# Altium PCB SAMD20_Xplained_Pro.PcbDoc (part 2 of 3)
Units mm, origin at the board's own origin, x right, y up, seen from the top; angles counter-clockwise.
Board outline 60 x 100 mm, 4 copper layers (Top Layer LF-signals, GND, POWER, Bottom Layer LF-signals), stack 1.604 mm thick; 165 components, 137 nets, 712 pads, 237 vias.
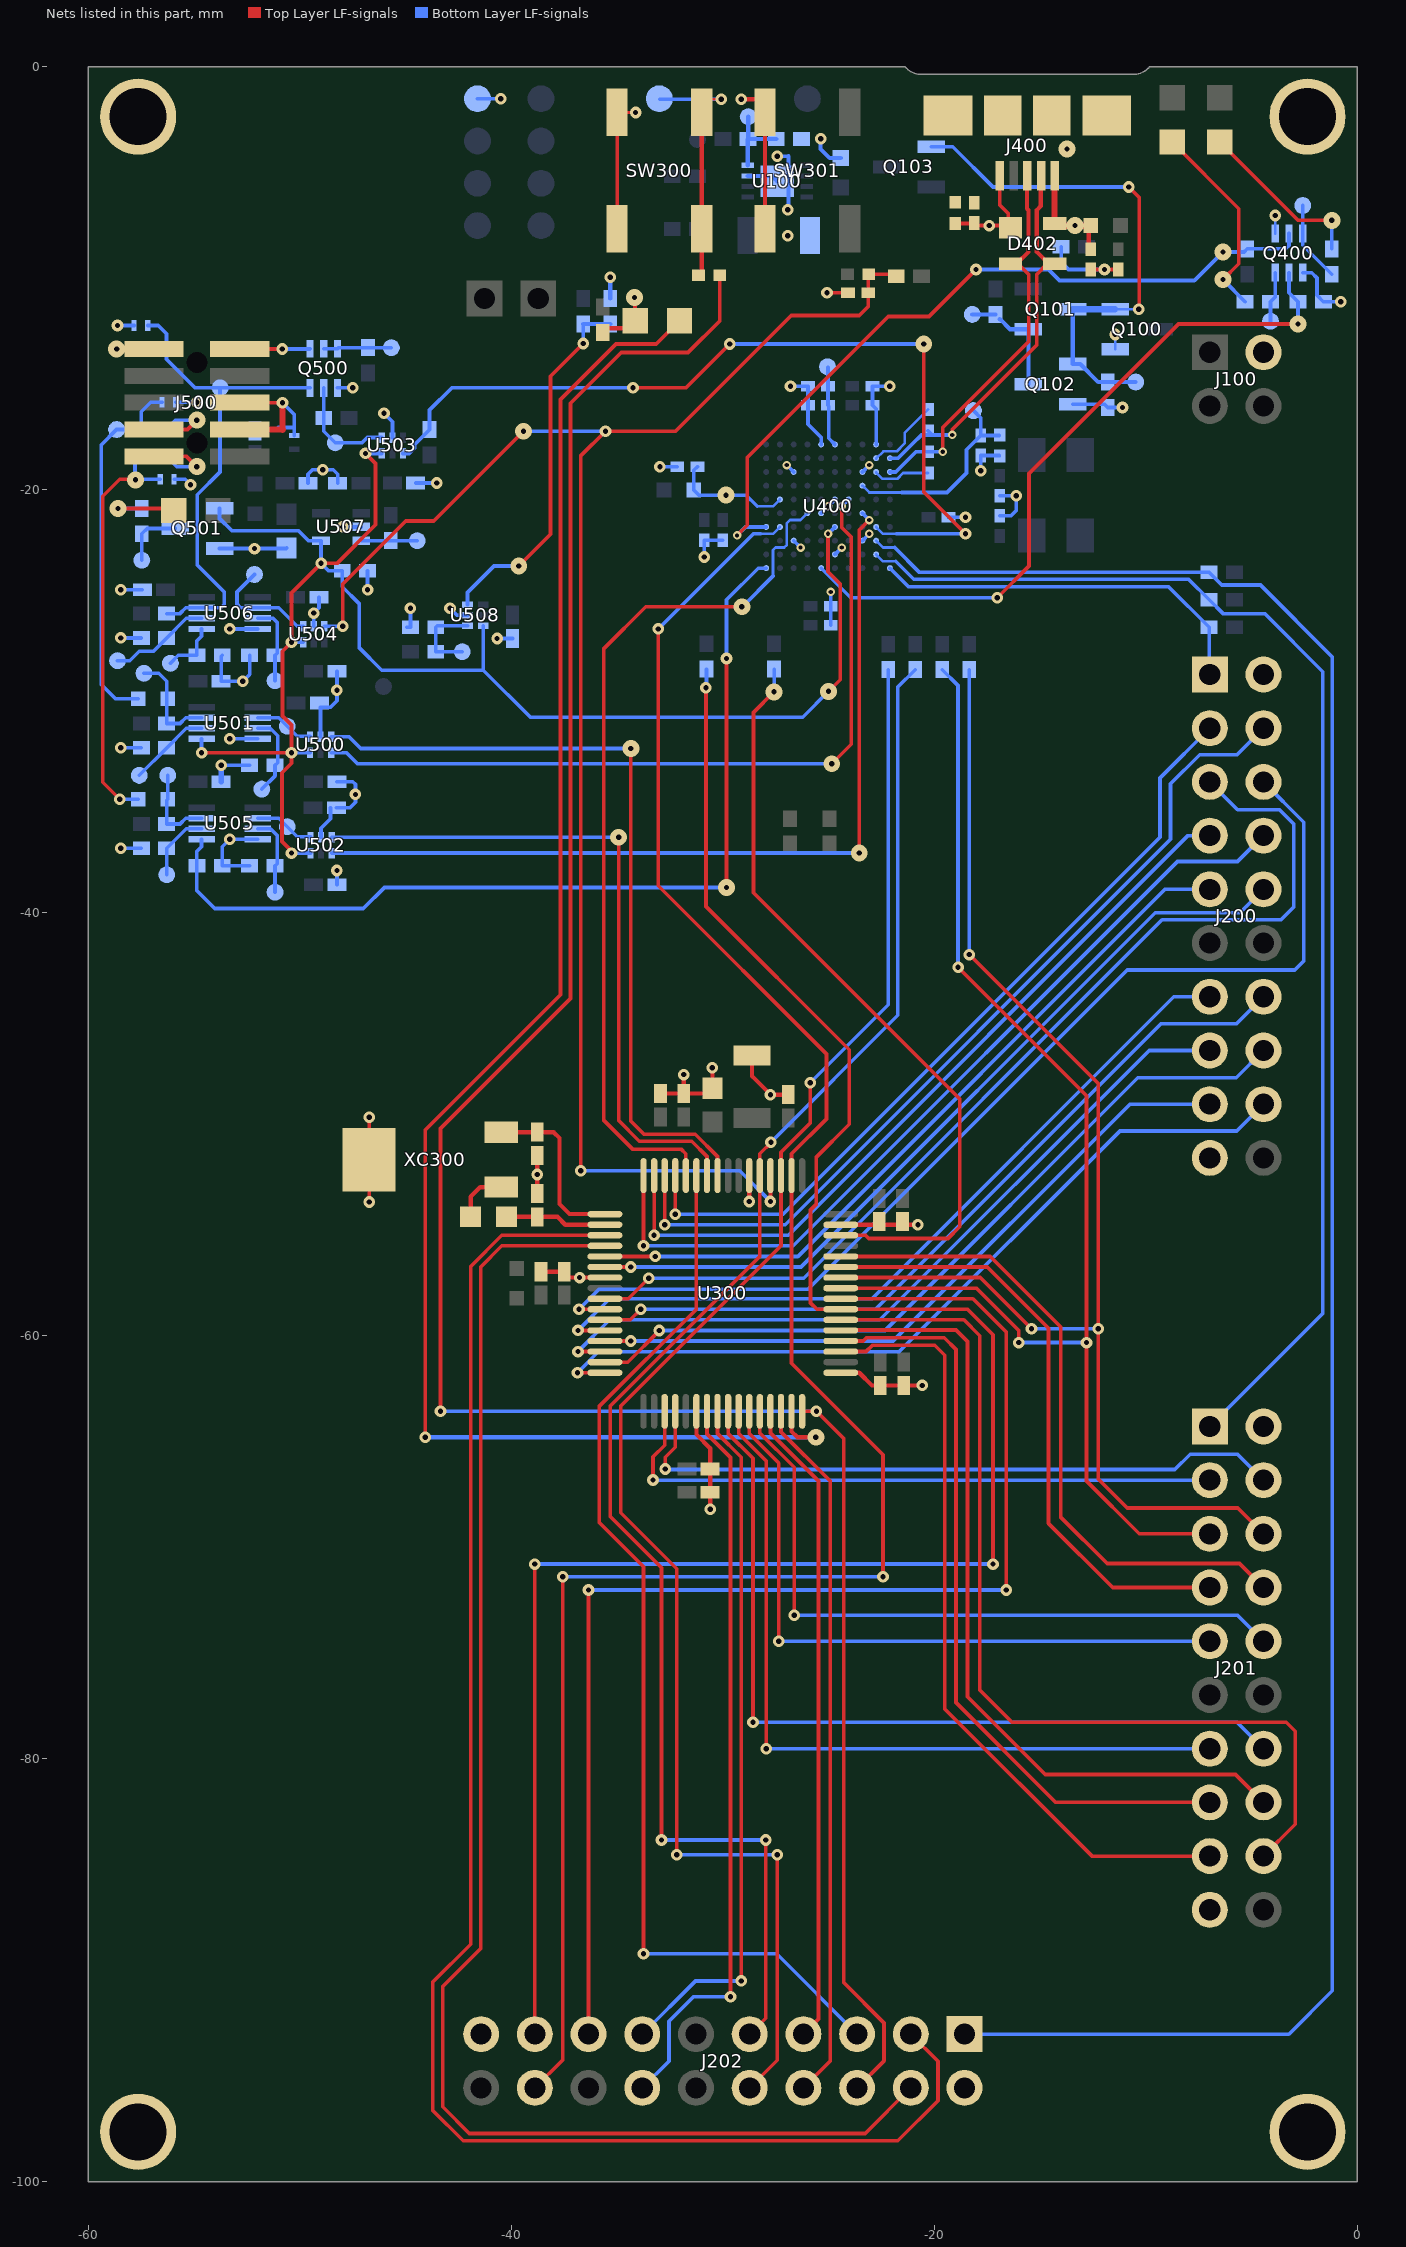
[diagram p4: the nets of this part, all layers, seen from the top]

## Via types
v1: diameter 0.55, hole 0.25, Top Layer LF-signals to Bottom Layer LF-signals, tented both sides, 80 vias
v2: diameter 0.55, hole 0.25, Top Layer LF-signals to Bottom Layer LF-signals, tented top, 71 vias
v3: diameter 0.55/0.8 (per signal layer), hole 0.25, Top Layer LF-signals to Bottom Layer LF-signals, tented top, 39 vias
v4: diameter 0.55, hole 0.25, Top Layer LF-signals to Bottom Layer LF-signals, 20 vias
v5: diameter 0.4, hole 0.2, Top Layer LF-signals to Bottom Layer LF-signals, tented both sides, 16 vias
v6: diameter 0.4, hole 0.2, Top Layer LF-signals to Bottom Layer LF-signals, tented top, 10 vias
v7: diameter 0.4, hole 0.2, Top Layer LF-signals to Bottom Layer LF-signals, 1 vias

## Nets (pads, with @x,y where several pads share a name; then routed paths per layer and width w, separated by ;. In a path a pad name is that pad's centre, name@x,y a point inside that pad or via, vN(x,y) a via of type N, cw(c..) or ccw(c..) an arc to the next point about the centre after c; other vN are vias at no path point) (continued)
EDBG_SPI_DGI_SCK: J202.18@-38.89,-95.57 U300.50 U400.J4 | length 98.2
  Top Layer LF-signals w0.175: J202.18@-38.89,-95.57 -37.575,-94.255 v1(-37.575,-71.4) ; v1(-33.05,-26.575) -33.05,-38.725 -25.1,-46.675 -25.1,-49.75 -26.75,-51.4 U300.50@-26.75,-52.425 -26.75,-61.3 -22.425,-65.625 v1(-22.425,-71.4)
  Bottom Layer LF-signals w0.125: -28.2,-22.075 -27.625,-22.075 U400.J4@-27.3,-21.75
  Bottom Layer LF-signals w0.175: v1(-37.575,-71.4) v1(-22.425,-71.4) ; v1(-33.05,-26.575) -28.55,-22.075 -28.2,-22.075
EDBG_SPI_DGI_SS: U300.60 U400.G5 | length 41.5
  Top Layer LF-signals w0.175: U300.60@-31.75,-52.425 -31.75,-51.4 -31.975,-51.175 -34.275,-51.175 -35.625,-49.825 -35.625,-27.5 -33.65,-25.525 v3(-29.1,-25.525)
  Bottom Layer LF-signals w0.125: -27.625,-24.075 -27.625,-22.85 -27.5,-22.725 -27.1,-22.725 -26.975,-22.6 -26.975,-21.575 -26.825,-21.425 -26.325,-21.425 U400.G5@-26,-21.1
  Bottom Layer LF-signals w0.175: v3(-29.1,-25.525) -29.075,-25.525 -27.625,-24.075
EDBG_USB_FS_N: R421.2 U400.B9 | length 3.7
  Bottom Layer LF-signals w0.125: U400.B9@-22.751,-18.524 -22.402,-18.175 -21.775,-18.175 -21.4,-17.8 -21.4,-17.3 R421.2@-20.3,-16.2
EDBG_USB_FS_P: R422.2 U400.B8 | length 2.7
  Bottom Layer LF-signals w0.125: U400.B8@-22.751,-19.174 -22.448,-19.476 -21.751,-19.476 -21.475,-19.2 R422.2@-20.3,-19.2
EDBG_USB_HS_N: D402.3 J400.2 R421.1 U400.A9 | length 18.1
  Top Layer LF-signals w0.18: v6(-19.15,-17.4) -19.15,-17.137 -15.15,-13.137 -15.15,-9.8 -14.65,-9.3 D402.3@-14.3,-9.3
  Top Layer LF-signals w0.2: J400.2@-14.964,-5.672 -14.964,-6.575 -15.15,-6.761 -15.15,-8.75 D402.3@-14.5,-9.4
  Bottom Layer LF-signals w0.18: U400.A9@-22.1,-18.5 -21.712,-18.5 -21.032,-17.82 -21.03,-17.82 -20.61,-17.4 R421.1@-20.1,-17.4 ; R421.1@-20.3,-17.2 R421.1@-20.1,-17.4 ; v6(-19.15,-17.4) R421.1@-20.1,-17.4
EDBG_USB_HS_P: D402.2 J400.3 R422.1 U400.A8 | length 18
  Top Layer LF-signals w0.18: v6(-19.6,-18.2) -19.6,-17.05 -15.53,-12.98 -15.53,-9.82 -16.05,-9.3 D402.2@-16.4,-9.3
  Top Layer LF-signals w0.2: D402.2@-16.05,-9.25 -15.55,-8.75 -15.55,-6.764 -15.614,-6.7 J400.3@-15.614,-5.672
  Bottom Layer LF-signals w0.18: U400.A8@-22.1,-19.15 -21.825,-19.15 -20.875,-18.2 R422.1@-20.3,-18.2 v6(-19.6,-18.2) v6@-19.7,-18.2
EXT_ENABLE: Q501.1 R500.1 U400.E4 U500.6 U501.5 U502.6 U503.6 U504.6 U507.4 U508.6 | length 76.4
  Top Layer LF-signals w0.175: v2(-54.65,-32.425) v2(-50.4,-32.425) ; v2@-50.3,-37.175 -50.85,-36.625 -50.85,-33.375 -50.4,-32.925 v2(-50.4,-32.425) ; v2(-46.9,-18.275) -46.425,-18.75 -46.425,-21.65 -48.25,-23.475 v2(-49,-23.475) -50.4,-24.875 v2(-50.4,-27.2) -50.825,-27.625 -50.825,-30.694 -50.4,-31.119 v2(-50.4,-32.425) ; v7(-25.025,-22.075) -25.025,-23.875 -24.45,-24.45 -24.45,-28.975 v3(-25,-29.525)
  Bottom Layer LF-signals w0.175: v2(-54.65,-32.425) U501.5@-54.65,-31.775 ; Q501.1@-53.8,-20.875 -53.8,-21.35 -53.225,-21.925 -50.075,-21.925 -49.6,-22.4 U507.4@-49,-22.4 v2(-49,-23.475) -48.65,-23.825 R500.1@-48,-23.825 -48,-24.575 -47.2,-25.375 -47.2,-27.45 -46.125,-28.525 -41.325,-28.525 ; v2(-50.4,-37.175) U502.6@-49.5,-37.175 ; v2(-50.4,-32.425) U500.6@-49.525,-32.425 ; v2(-50.4,-27.2) U504.6@-49.85,-27.2 ; v2(-46.9,-18.275) U503.6@-46.125,-18.275 ; U508.6@-41.325,-26.425 -41.325,-28.525 ; v7(-25.025,-22.075) U400.E4@-24.7,-21.75 ; v3(-25,-29.525) -26.225,-30.75 -39.1,-30.75 -41.325,-28.525
GND: C100.2 C101.2 C301.2 C302.2 C303.2 C305.2 C306.2 C307.2 C308.2 C309.2 C310.2 C311.2 C312.2 C313.2 C314.2 C315.2 C316.2 C317.2 C400.2 C401.2 C402.2 C403.1 C404.2 C405.2 C406.2 C407.2 C408.2 C409.2 C410.2 C411.2 C412.2 C413.2 C414.2 C415.2 C500.2 C501.1 C502.1 C503.2 C504.2 C505.2 C506.2 C507.2 C508.2 C509.2 C511.2 C512.2 C513.1 C514.2 C515.2 D402.1 D501.1 D502.1 D503.1 D504.1 J100.2@-4.43,-13.49 J200.2@-4.43,-28.73 J200.19@-6.97,-51.59 J201.2@-4.43,-64.29 J201.19@-6.97,-87.15 J202.2@-18.57,-95.57 J202.19@-41.43,-93.03 J400.5 J500.3 J500.5 J500.9 pad.666 Q100.1 Q102.2 Q400.1 Q400.4 Q500.1 Q500.4 Q501.2 R100.2 R104.1 R107.1 R110.1 R413.1 R423.1 R424.1 R500.2 R506.2 R507.2 R510.1 R511.2 R512.2 R513.1 R517.1 R527.2 R528.2 SW300.1 SW300.2 SW301.1 SW301.2 TP400.1 U100.7 U100.9 U300.7 U300.22 U300.33 U300.47 U300.54 U400.B10 U400.C3 U400.C8 U400.E2 U400.E6 U400.F5 U400.F10 U400.H3 U400.H8 U500.2 U501.4 U502.2 U503.2 U504.2 U505.4 U506.4 U507.2 U508.2 XC300.3 | length 144.1
  Top Layer LF-signals w0.125: SW300.2@-35,-2.15 v2(-34.125,-2.15) ; v2@-25.1,-10.7 v2(-25.075,-10.675) ; R424.1@-19.025,-7.5 R424.1@-19,-7.5 ; v2@-17.401,-7.494 v2@-17.238,-7.475
  Top Layer LF-signals w0.175: J500.5@-52.845,-15.875 v4(-50.825,-15.875) ; J500.9@-52.845,-13.335 v2(-50.84,-13.335) ; v1(-46.725,-53.675) XC300.3@-46.725,-51.675 v1(-46.725,-49.675) ; SW300.1@-35,-7.65 SW300.2@-35,-2.15 ; v2(-25.075,-10.675) C301.2@-24.075,-10.675 ; R424.1@-19,-7.4 -18.125,-7.4 C403.1@-18.1,-7.375 -17.975,-7.5 v2(-17.4,-7.5) D402.1@-16.5,-7.5 ; J400.5@-16.9,-5.15 -16.9,-6.525 -16.5,-6.925 D402.1@-16.5,-7.5 ; D402.1@-16.4,-7.6 D402.1@-16.5,-7.5 ; C407.2@-12.6,-9.575 v1(-11.95,-9.575) C408.2@-11.3,-9.575
  Top Layer LF-signals w0.2: C303.2@-38.775,-53.275 v1(-38.775,-52.375) C302.2@-38.775,-51.475 ; C317.2@-38.6,-56.975 C316.2@-37.5,-56.975 -37.225,-57.25 U300.7@-35.575,-57.25 ; C311.2@-32.95,-48.55 -30.743,-48.55 C313.2@-30.493,-48.299 -30.493,-47.182 -30.5,-47.189 v1(-30.5,-47.325) ; v4(-31.85,-47.65) -31.843,-47.657 C312.2@-31.843,-48.549 ; U300.22@-31.25,-63.575 -31.25,-64.675 -30.6,-65.325 C306.2@-30.6,-67.4 v1(-30.6,-68.2) ; v1(-29.125,-1.525) -28.15,-1.525 -28,-1.675 SW301.2@-28,-2.15 SW301.1@-28,-7.65 ; v1(-28.75,-53.65) U300.54@-28.75,-52.425 ; C315.2@-28.625,-46.75 -28.625,-47.725 v4(-27.75,-48.6) C314.2@-26.9,-48.6 ; U300.33@-24.425,-61.75 -23.55,-61.75 -22.95,-62.35 C307.2@-22.55,-62.35 v1(-20.575,-62.35) ; U300.47@-24.425,-54.75 v1(-20.775,-54.75)
  Top Layer LF-signals w0.3: J500.3@-52.845,-17.145 -50.82,-17.145 -50.825,-17.15 v4(-50.825,-15.875)
  Bottom Layer LF-signals w0.125: R423.1@-16.925,-18.4 R423.1@-16.9,-18.4 ; Q100.1@-11.45,-13.35 v2(-11.45,-12.65) ; Q400.1@-3.875,-7.875 v2@-3.875,-7.1
  Bottom Layer LF-signals w0.175: v2(-58.625,-12.225) D502.1@-57.85,-12.225 ; v2(-58.475,-36.95) R507.2@-57.5,-36.95 ; v2(-58.475,-32.2) R527.2@-57.5,-32.2 ; v2(-58.475,-27) R512.2@-57.5,-27 ; v2(-58.475,-24.725) C511.2@-57.45,-24.725 ; D501.1@-55.95,-19.5 -55.425,-19.5 v2(-55.175,-19.75) ; D503.1@-55.875,-15.85 v2(-54.875,-15.85) ; Q501.2@-53.8,-22.775 v2(-52.15,-22.775) -50.65,-22.775 C514.2@-50.625,-22.75 ; v4(-53.725,-33.025) R528.2@-52.375,-33.025 ; R513.1@-53.675,-27.825 -53.725,-27.875 C503.2@-53.725,-29.05 v2(-52.7,-29.05) -52.375,-28.725 R511.2@-52.375,-27.825 ; v2(-53.325,-31.775) U501.4@-52,-31.775 ; v2(-53.325,-26.575) U506.4@-52,-26.575 ; R506.2@-52.375,-37.775 R510.1@-53.675,-37.775 -53.675,-36.875 v2(-53.325,-36.525) U505.4@-52,-36.525 ; C502.1@-52.125,-17.225 -52.045,-17.145 -51.12,-17.145 -51.025,-17.05 -50.275,-17.05 ; v2(-50.84,-13.335) -49.535,-13.335 Q500.4@-49.525,-13.325 ; v4(-50.825,-15.875) -50.275,-16.425 -50.275,-17.05 ; D504.1@-50.275,-17.425 -50.275,-17.05 ; C501.1@-49.615,-19.684 -49.615,-19.257 -49.408,-19.05 v2(-48.925,-19.05) -48.423,-19.05 -48.215,-19.257 C513.1@-48.215,-19.684 ; U504.2@-49.35,-26.45 v2(-49.35,-25.825) -49.1,-25.575 C512.2@-49.1,-25.075 ; U500.2@-49.025,-31.675 -49.025,-30.275 -48.55,-30.275 -48.25,-29.975 C509.2@-48.25,-28.575 ; U502.2@-49,-36.425 -49,-36 -48.55,-35.55 C508.2@-48.55,-35.025 ; C508.2@-48.275,-35.025 -47.625,-35.025 -47.375,-34.775 -47.375,-33.925 -47.5,-33.8 C500.2@-48.25,-33.8 ; C505.2@-48.25,-38.675 v2(-48.25,-38) ; Q500.1@-48.225,-15.175 v2(-47.5,-15.175) ; v2(-47.975,-21.75) U507.2@-47.1,-21.75 ; v2(-46.8,-24.725) R500.2@-46.8,-23.825 ; v2(-46.025,-16.375) -45.625,-16.775 U503.2@-45.625,-17.525 ; R517.1@-44.95,-26.5 R517.1@-44.775,-26.5 v1(-44.775,-25.6) ; C506.2@-44.525,-19.675 v2(-43.525,-19.675) ; v1(-42.9,-25.6) -42.575,-25.925 U508.2@-42.075,-25.925 ; TP400.1@-41.6,-1.5 v2(-40.5,-1.5) ; v2(-40.675,-27.025) C515.2@-39.95,-27.025 ; v1(-32.975,-18.9) C404.2@-32.15,-18.9 ; v1(-30.875,-23.175) C414.2@-30.875,-22.375 C413.2@-30,-22.375 ; v1(-27.425,-4.225) -26.9,-4.225 ; v6(-26.975,-18.825) U400.H8@-26.65,-19.15 ; v1(-26.8,-15.1) C405.2@-25.975,-15.1 C406.2@-25.975,-16 -25.975,-16.9 -25.35,-17.525 U400.F10@-25.35,-17.85 ; U400.H3@-26.65,-22.4 v5(-26.325,-22.725) ; U400.F5@-25.35,-21.1 v6(-25.025,-20.775) U400.E6@-24.7,-20.45 ; C415.2@-24.9,-26.4 C412.2@-24.9,-25.5 v5(-24.9,-24.825) ; U400.E2@-24.7,-23.05 v6(-24.375,-22.725) ; U400.C3@-23.4,-22.4 v5(-23.075,-22.075) ; U400.C8@-23.4,-19.15 v6(-23.075,-18.825) ; U400.B10@-22.75,-17.85 -22.75,-16.175 C410.2@-22.925,-16 C409.2@-22.925,-15.1 v1(-22.1,-15.1) ; C411.2@-19.325,-21.3 v2(-18.525,-21.3) ; v2(-17.8,-19.1) C402.2@-17.8,-18.375 R423.1@-16.925,-18.375 ; C400.2@-16.9,-21.225 -16.375,-21.225 -16.125,-20.975 v2(-16.125,-20.275) C401.2@-16.9,-20.275 ; R104.1@-14,-8.5 -14,-9.225 -13.65,-9.575 v1(-11.95,-9.575) ; Q102.2@-13.45,-15.95 -11.95,-15.95 R107.1@-11.8,-16.1 v2(-11.1,-16.1) ; Q400.4@-2.575,-9.725 -2.15,-9.725 -1.9,-9.975 -1.9,-10.8 R413.1@-1.6,-11.1 v2(-0.775,-11.1)
  Bottom Layer LF-signals w0.2: R110.1@-35.325,-10.95 v1(-35.325,-9.95) ; U100.7@-28.825,-5.15 -27.675,-5.15 U100.9@-27.425,-5.4 ; v1@-26.9,-6.725 -26.9,-4.225 ; v1(-25.375,-3.4) -25.375,-3.875 -24.948,-4.302 C101.2@-24.425,-4.302
  Bottom Layer LF-signals w0.25: C507.2@-53.725,-33.8 v4(-53.725,-33.025)
  other v1: -26.925,-7.975 -26.925,-6.75
  other v2: -47.375,-34.4 -48.25,-29.475 -3.875,-7.025
  other v4: -36.775,-57.25
ID1: J200.1@-6.97,-28.73 R409.1 U400.A1 | length 18.5
  Bottom Layer LF-signals w0.175: U400.A1@-22.1,-23.7 -21.225,-24.575 -8.925,-24.575 R409.1@-7,-26.5 -7,-28.7 J200.1@-6.97,-28.73
ID2: J201.1@-6.97,-64.29 R402.1 U400.B2 | length 61.3
  Bottom Layer LF-signals w0.125: U400.B2@-22.75,-23.05 -22.425,-23.375 -21.825,-23.375 ; J201.1@-6.978,-64.29 J201.1@-6.974,-64.286
  Bottom Layer LF-signals w0.175: -21.825,-23.375 -20.975,-24.225 -7.975,-24.225 R402.1@-7,-25.2 -6.35,-25.85 -4.375,-25.85 -1.625,-28.6 -1.625,-58.945 J201.1@-6.97,-64.29
ID3: J202.1@-18.57,-93.03 R401.1 U400.B3 | length 105.2
  Bottom Layer LF-signals w0.125: U400.B3@-22.75,-22.4 -22.425,-22.725 -21.875,-22.725
  Bottom Layer LF-signals w0.175: -21.875,-22.725 -20.7,-23.9 R401.1@-7,-23.9 -6.4,-24.5 -4.575,-24.5 -1.175,-27.9 -1.175,-90.975 -3.23,-93.03 J202.1@-18.57,-93.03
INPUT_VOLTAGE_DETECTED: pad.3@-10.475,-14.9 Q100.2 Q101.3 Q102.1 Q103.1 R107.2 | length 25.2
  Top Layer LF-signals w0.125: v2@-10.475,-11.425 v2@-10.305,-11.425
  Top Layer LF-signals w0.175: v2(-10.8,-5.675) -10.305,-6.17 -10.305,-11.425 -10.305,-11.43 v2(-10.325,-11.45)
  Bottom Layer LF-signals w0.125: Q100.2@-11.45,-11.45 -10.5,-11.45 v2@-10.475,-11.425
  Bottom Layer LF-signals w0.175: Q103.1@-20.15,-3.775 -19.125,-3.775 -17.225,-5.675 v2(-10.8,-5.675) ; R107.2@-11.8,-14.9 pad.3@-10.475,-14.9
  Bottom Layer LF-signals w0.2: Q101.3@-13.45,-11.45 Q102.1@-13.45,-14.05 -13.1,-14.05 -12.25,-14.9 R107.2@-11.8,-14.9
  Bottom Layer LF-signals w0.3: Q101.3@-13.45,-11.45 Q100.2@-11.45,-11.45
LVL_SWDIO_OE: R510.2 U400.K1 U505.5 | length 44.4
  Top Layer LF-signals w0.175: v3(-29.825,-38.8) v4(-29.825,-27.975)
  Bottom Layer LF-signals w0.175: U505.5@-54.65,-36.525 -54.65,-36.875 -54.875,-37.1 R510.2@-54.875,-37.775 -54.875,-38.95 -54.025,-39.8 -47,-39.8 -46,-38.8 v3(-29.825,-38.8) ; v4(-29.825,-27.975) -29.825,-25.2 -28.325,-23.7 U400.K1@-27.95,-23.7
NetC402_1: C402.1 pad.3@-18.15,-16.25 R423.2 U400.C7 | length 9.7
  Bottom Layer LF-signals w0.125: U400.C7@-23.4,-19.8 -23.075,-20.125 -21.525,-20.125
  Bottom Layer LF-signals w0.175: -21.525,-20.125 -19.4,-20.125 -18.475,-19.2 -18.475,-18.1 C402.1@-17.8,-17.425 ; pad.3@-18.15,-16.25 -17.8,-16.6 C402.1@-17.8,-17.425 ; R423.2@-16.925,-17.425 C402.1@-17.8,-17.425
NetC404_1: C404.1 L402.2 U400.J6 | length 5.7
  Bottom Layer LF-signals w0.125: -28.375,-20.775 -27.625,-20.775 U400.J6@-27.3,-20.45
  Bottom Layer LF-signals w0.175: C404.1@-31.2,-18.9 -31.375,-19.075 L402.2@-31.375,-20 -31.125,-20.25 v3(-29.85,-20.25) -28.9,-20.25 -28.375,-20.775
NetC405_1: C405.1 C406.1 pad.3@-25.05,-14.175 U400.E10 | length 3.8
  Bottom Layer LF-signals w0.175: pad.3@-25.025,-14.2 C405.1@-25.025,-15.1 C406.1@-25.025,-16 -24.987,-16.038 -24.987,-17.563 U400.E10@-24.7,-17.85
NetC407_1: C407.1 D402.4 J400.1 L401.1 | length 4.6
  Top Layer LF-signals w0.2: D402.4@-14.314,-7.386 D402.4@-14.2,-7.5 ; C407.1@-12.7,-8.725 L401.1@-12.7,-7.5
  Top Layer LF-signals w0.3: D402.4@-14.314,-7.386 J400.1@-14.314,-5.672 ; D402.4@-14.2,-7.5 v3(-13.35,-7.5) L401.1@-12.7,-7.5
NetD301_2: D301.2 R303.1 | length 2.9
  Top Layer LF-signals w0.2: R303.1@-35.675,-12.55 -35.475,-12.35 -34.5,-12.35 D301.2@-34.15,-12 -34.15,-10.925 v3(-34.175,-10.9)
NetD400_1: D400.1 R411.2 | length 9.6
  Top Layer LF-signals w0.175: D400.1@-8.75,-3.55 -5.6,-6.7 -5.6,-9.3 v3(-6.35,-10.05)
  Bottom Layer LF-signals w0.175: v3(-6.35,-10.05) R411.2@-5.3,-11.1
NetD401_1: D401.1 R412.2 | length 8.2
  Top Layer LF-signals w0.175: D401.1@-6.5,-3.55 -2.8,-7.25 v3(-1.2,-7.25)
  Bottom Layer LF-signals w0.175: R412.2@-1.2,-8.6 v3(-1.2,-7.25)
NetD500_1: D500.1 R503.2 | length 3.8
  Top Layer LF-signals w0.175: v3(-58.6,-20.875) -56.075,-20.875 D500.1@-55.975,-20.975
  Bottom Layer LF-signals w0.175: v3(-58.6,-20.875) R503.2@-57.475,-20.875
NetD501_2: D501.2 L503.2 R505.1 | length 19.8
  Top Layer LF-signals w0.175: v2(-58.525,-34.625) -59.325,-33.825 -59.325,-20.3 -58.525,-19.5 v3@-57.775,-19.5
  Bottom Layer LF-signals w0.175: v2(-58.525,-34.625) L503.2@-57.65,-34.625 ; R505.1@-57.505,-18.415 -57.796,-18.706 -57.796,-19.5 D501.2@-56.6,-19.5
  other v3: -57.775,-19.525
NetD502_2: D502.2 pad.0@-53.775,-15.175 Q500.3 R501.1 R509.1 U506.7 | length 23.7
  Bottom Layer LF-signals w0.175: D502.2@-57.2,-12.225 -56.7,-12.225 -56.305,-12.62 R509.1@-56.305,-13.335 -56.305,-13.82 -54.95,-15.175 pad.0@-53.775,-15.175 ; R501.1@-56.3,-25.85 -55.675,-25.85 -55.4,-25.575 U506.7@-54.65,-25.575 -53.725,-25.575 -53.575,-25.425 -53.575,-24.825 -54.85,-23.55 -54.85,-20.225 -53.775,-19.15 pad.0@-53.775,-15.175 ; Q500.3@-49.525,-15.175 pad.0@-53.775,-15.175
NetD503_2: D503.2 L501.2 pad.0@-58.67,-17.145 R508.1 | length 17.6
  Bottom Layer LF-signals w0.175: L501.2@-57.65,-29.875 -58.725,-29.875 -59.4,-29.2 -59.4,-17.875 pad.0@-58.67,-17.145 R508.1@-57.505,-17.145 -57.505,-16.305 -57.05,-15.85 D503.2@-56.525,-15.85
NetJ302_1: J302.1 XC300.1 | length 2.6
  Top Layer LF-signals w0.2: J302.1@-41.925,-54.375 -41.925,-53.425 -41.475,-52.975 XC300.1@-40.475,-52.975
NetL501_1: L501.1 pad.0@-57.375,-28.675 R502.2 U501.7 | length 5
  Bottom Layer LF-signals w0.175: pad.0@-57.375,-28.675 -56.675,-28.675 -56.3,-29.05 R502.2@-56.3,-31.05 -55.675,-31.05 -55.4,-30.775 U501.7@-54.65,-30.775
NetL503_1: L503.1 pad.0@-56.25,-33.5 R504.1 U505.7 | length 4
  Bottom Layer LF-signals w0.175: L503.1@-56.3,-34.675 R504.1@-56.3,-35.8 -55.675,-35.8 -55.4,-35.525 U505.7@-54.65,-35.525 ; L503.1@-56.25,-34.625 pad.0@-56.25,-33.5
NetQ101_1: pad.3@-18.2,-11.7 Q101.1 Q102.3 R103.1 | length 5.2
  Bottom Layer LF-signals w0.2: pad.3@-18.2,-11.7 R103.1@-17.1,-11.7 ; R103.1@-16.9,-11.925 -16.425,-12.4 Q101.1@-15.55,-12.4 Q102.3@-15.55,-15
NetQ400_3: pad.3@-2.575,-6.55 Q400.3 R412.1 | length 3.8
  Bottom Layer LF-signals w0.175: pad.3@-2.575,-6.55 Q400.3@-2.575,-7.875 -2.575,-8.425 R412.1@-1.2,-9.8
NetQ400_6: pad.3@-4.1,-12.025 Q400.6 R411.1 | length 2.4
  Bottom Layer LF-signals w0.175: pad.3@-4.1,-12.025 R411.1@-4.1,-11.1 -3.875,-10.875 Q400.6@-3.875,-9.725
NetQ500_5: pad.0@-45.675,-13.275 Q500.5 Q500.6 R526.1 | length 3.2
  Bottom Layer LF-signals w0.175: Q500.5@-48.875,-13.325 Q500.6@-48.225,-13.325 -48.175,-13.275 R526.1@-46.775,-13.275 pad.0@-45.675,-13.275
NetQ501_3: pad.0@-57.475,-23.325 Q501.3 R503.1 | length 2.9
  Bottom Layer LF-signals w0.175: pad.0@-57.475,-23.325 R503.1@-57.475,-22.075 -57.225,-21.825 Q501.3@-55.9,-21.825
NetR100_1: pad.3@-28.8,-2.35 R100.1 R102.2 U100.8 | length 3.6
  Bottom Layer LF-signals w0.2: U100.8@-28.825,-4.65 -28.825,-3.425 R102.2@-28.8,-3.4 ; pad.3@-28.8,-2.35 -28.8,-2.575 R102.2@-28.8,-3.4 ; R100.1@-27.475,-3.4 R102.2@-28.8,-3.4
NetR109_1: R109.1 R110.2 U508.3 | length 17.5
  Top Layer LF-signals w0.175: v3(-39.65,-23.6) -38.15,-22.1 -38.15,-14.625 v4(-36.6,-13.075)
  Bottom Layer LF-signals w0.175: U508.3@-42.075,-25.425 -42.075,-24.85 -40.825,-23.6 v3(-39.65,-23.6) ; v4(-36.6,-13.075) R109.1@-36.6,-12.15
  Bottom Layer LF-signals w0.2: R109.1@-36.6,-12.15 R110.2@-35.325,-12.15
NetR302_1: R302.1 SW300.3 SW300.4 TP300.1 | length 12.3
  Top Layer LF-signals w0.125: SW300.4@-30.8,-1.525 v2(-30.075,-1.525)
  Top Layer LF-signals w0.2: R302.1@-31.15,-9.85 -31,-9.7 SW300.3@-31,-7.65 SW300.4@-31,-2.15 -30.9,-2.05 -30.9,-1.425 SW300.4@-30.8,-1.525
  Bottom Layer LF-signals w0.175: TP300.1@-32.975,-1.525 v2(-30.075,-1.525)
NetR506_1: pad.0@-51.175,-39.025 R506.1 U505.3 | length 3.8
  Bottom Layer LF-signals w0.175: U505.3@-52,-36.025 -51.397,-36.025 -51.075,-36.347 -51.075,-37.675 R506.1@-51.175,-37.775 pad.0@-51.175,-39.025
NetR507_1: pad.0@-56.3,-38.2 R507.1 U505.6 | length 3.3
  Bottom Layer LF-signals w0.175: pad.0@-56.3,-38.2 R507.1@-56.3,-36.95 -55.375,-36.025 U505.6@-54.65,-36.025
NetR511_1: pad.0@-51.175,-29.025 R511.1 U506.3 | length 3.8
  Bottom Layer LF-signals w0.175: U506.3@-52,-26.075 -51.275,-26.075 -51.075,-26.275 -51.075,-27.725 R511.1@-51.175,-27.825 pad.0@-51.175,-29.025
NetR512_1: pad.0@-58.625,-28.075 R512.1 U506.6 | length 4.8
  Bottom Layer LF-signals w0.175: pad.0@-58.625,-28.075 -58.05,-28.075 -57.6,-27.625 -56.925,-27.625 R512.1@-56.3,-27 -55.375,-26.075 U506.6@-54.65,-26.075
NetR513_2: pad.3@-56.125,-28.2 R513.2 U506.5 | length 2.7
  Bottom Layer LF-signals w0.175: pad.3@-56.125,-28.2 -55.75,-27.825 R513.2@-54.875,-27.825 -54.875,-27.15 -54.65,-26.925 U506.5@-54.65,-26.575
NetR514_1: pad.0@-44.45,-22.4 R514.1 U507.3 | length 2.6
  Bottom Layer LF-signals w0.175: U507.3@-47.1,-22.4 R514.1@-45.7,-22.4 pad.0@-44.45,-22.4
NetR516_1: pad.0@-42.325,-27.65 R516.1 R517.2 U508.1 | length 3.9
  Bottom Layer LF-signals w0.175: pad.0@-42.325,-27.65 R516.1@-43.575,-27.65 R517.2@-43.575,-26.5 -43.5,-26.425 U508.1@-42.075,-26.425
NetR527_1: pad.0@-57.6,-33.5 R527.1 U501.6 | length 3.9
  Bottom Layer LF-signals w0.175: pad.0@-57.6,-33.5 R527.1@-56.3,-32.2 -55.375,-31.275 U501.6@-54.65,-31.275
NetR528_1: pad.0@-51.8,-34.15 R528.1 U501.3 | length 3.9
  Bottom Layer LF-signals w0.175: U501.3@-52,-31.275 -51.4,-31.275 -51.05,-31.625 -51.05,-32.9 R528.1@-51.175,-33.025 -51.175,-33.525 pad.0@-51.8,-34.15
PA00_XIN32: C302.1 U300.1 XC300.2 | length 8.3
  Top Layer LF-signals w0.2: XC300.2@-40.475,-50.375 C302.1@-38.775,-50.375 -38,-50.375 -37.725,-50.65 -37.725,-53.775 -37.25,-54.25 U300.1@-35.575,-54.25
PA01_XOUT32: C303.1 J302.2 U300.2 | length 4.8
  Top Layer LF-signals w0.2: J302.2@-40.225,-54.375 C303.1@-38.775,-54.375 -37.825,-54.375 -37.45,-54.75 U300.2@-35.575,-54.75
PA02_ADC0: J202.3@-21.11,-93.03 U300.3 | length 76.6
  Top Layer LF-signals w0.175: U300.3@-35.575,-55.25 -40.45,-55.25 -41.925,-56.725 -41.925,-88.775 -43.725,-90.575 -43.725,-96.625 -42.275,-98.075 -21.725,-98.075 -19.825,-96.175 -19.825,-94.315 J202.3@-21.11,-93.03
PA03_ADC1: J202.4@-21.11,-95.57 U300.4 | length 70.3
  Top Layer LF-signals w0.175: U300.4@-35.575,-55.75 -40.45,-55.75 -41.45,-56.75 -41.45,-88.975 -43.25,-90.775 -43.25,-96.465 -41.99,-97.725 -23.265,-97.725 J202.4@-21.11,-95.57
PA04_S0_SPI_MISO: J200.17@-6.97,-49.05 U300.13 | length 33.2
  Top Layer LF-signals w0.175: U300.13@-35.575,-60.25 v4(-34.35,-60.25)
  Bottom Layer LF-signals w0.175: v4(-34.35,-60.25) -21.95,-60.25 -10.75,-49.05 J200.17@-6.97,-49.05
PA05_S0_SPI_SS: J200.15@-6.97,-46.51 U300.14 | length 37.1
  Top Layer LF-signals w0.175: v4(-36.85,-60.75) U300.14@-35.575,-60.75
  Bottom Layer LF-signals w0.175: v4(-36.85,-60.75) -35.35,-59.25 -22.575,-59.25 -9.835,-46.51 J200.15@-6.97,-46.51
PA06_S0_SPI_MOSI: J200.16@-4.43,-46.51 U300.15 | length 37.3
  Top Layer LF-signals w0.175: U300.15@-35.575,-61.25 -34.5,-61.25 v4@-33,-59.75
  Bottom Layer LF-signals w0.175: v4(-33,-59.755) -22.33,-59.755 -10.375,-47.8 -5.72,-47.8 J200.16@-4.43,-46.51
PA07_S0_SPI_SCK: J200.18@-4.43,-49.05 U300.16 | length 39
  Top Layer LF-signals w0.175: v4(-36.875,-61.75) U300.16@-35.575,-61.75
  Bottom Layer LF-signals w0.175: v4(-36.875,-61.75) -35.888,-60.763 -21.663,-60.763 -11.22,-50.32 -5.7,-50.32 J200.18@-4.43,-49.05
PA10_ADC18: J201.3@-6.97,-66.83 U300.19 | length 29.8
  Top Layer LF-signals w0.175: v1(-33.3,-66.825) -33.3,-65.725 -32.75,-65.175 U300.19@-32.75,-63.575
  Bottom Layer LF-signals w0.175: v1(-33.3,-66.825) -33.295,-66.83 J201.3@-6.97,-66.83
PA11_ADC19: J201.4@-4.43,-66.83 U300.20 | length 32
  Top Layer LF-signals w0.175: v1(-32.727,-66.303) -32.727,-65.752 -32.25,-65.275 U300.20@-32.25,-63.575
  Bottom Layer LF-signals w0.175: v1(-32.727,-66.303) -32.705,-66.325 -8.625,-66.325 -7.9,-65.6 -5.66,-65.6 J201.4@-4.43,-66.83
PA12_PWM_TC2_0: J202.7@-26.19,-93.03 U300.29 | length 30.7
  Top Layer LF-signals w0.175: U300.29@-27.75,-63.575 -27.75,-64.6 -25.475,-66.875 -25.475,-92.315 J202.7@-26.19,-93.03
PA13_PWM_TC2_1: J202.8@-26.19,-95.57 U300.30 | length 33.5
  Top Layer LF-signals w0.175: U300.30@-27.25,-63.575 -27.25,-64.55 -24.925,-66.875 -24.925,-94.305 J202.8@-26.19,-95.57
PA14_LED_TC3_0: D301.1 U300.31 | length 79.6
  Top Layer LF-signals w0.175: v1(-44.075,-64.8) -44.075,-50.275 -37.675,-43.875 -37.675,-15.725 -35.05,-13.1 -33.15,-13.1 D301.1@-32.05,-12
  Top Layer LF-signals w0.2: U300.31@-26.75,-63.575 -26.75,-64.525 -26.475,-64.8 v3(-25.6,-64.8)
  Bottom Layer LF-signals w0.2: v1(-44.075,-64.8) v3(-25.6,-64.8)
PA15_GPIO_BTN: J202.6@-23.65,-95.57 R302.2 U300.32 | length 113.3
  Top Layer LF-signals w0.175: v1(-43.35,-63.575) -43.35,-50.2 -37.2,-44.05 -37.2,-15.9 -34.8,-13.5 -31.641,-13.5 -30.15,-12.009 R302.2@-30.15,-9.85 ; U300.32@-26.25,-63.575 v1(-25.575,-63.575) -24.275,-64.875 -24.275,-90.6 -22.375,-92.5 -22.375,-94.295 J202.6@-23.65,-95.57
  Bottom Layer LF-signals w0.175: v1(-43.35,-63.575) v1(-25.575,-63.575)
PA16_S1_SPI_MISO: J201.17@-6.97,-84.61 U300.35 | length 37.4
  Top Layer LF-signals w0.175: U300.35@-24.425,-60.75 -23.225,-60.75 -22.925,-60.45 -19.975,-60.45 -19.5,-60.925 -19.5,-77.65 -12.54,-84.61 J201.17@-6.97,-84.61
PA17_S1_SPI_SS: J201.15@-6.97,-82.07 U300.36 | length 36.4
  Top Layer LF-signals w0.175: U300.36@-24.425,-60.25 -23.36,-60.25 -23.21,-60.1 -19.525,-60.1 -18.975,-60.65 -18.975,-77.35 -14.255,-82.07 J201.15@-6.97,-82.07
PA18_S1_SPI_MOSI: J201.16@-4.43,-82.07 U300.37 | length 39.1
  Top Layer LF-signals w0.175: U300.37@-24.425,-59.75 -24.4,-59.725 -18.975,-59.725 -18.425,-60.275 -18.425,-77.075 -14.75,-80.75 -5.75,-80.75 J201.16@-4.43,-82.07
PA19_S1_SPI_SCK: J201.18@-4.43,-84.61 U300.38 | length 45.9
  Top Layer LF-signals w0.175: U300.38@-24.425,-59.25 -18.6,-59.25 -17.85,-60 -17.85,-76.75 -16.325,-78.275 -3.35,-78.275 -2.925,-78.7 -2.925,-83.105 J201.18@-4.43,-84.61
PA20_GPIO: J201.5@-6.97,-69.37 R418.1 U300.41 | length 61.1
  Top Layer LF-signals w0.175: U300.41@-24.425,-57.75 -18.504,-57.75 ; v1(-18.875,-42.575) -12.8,-48.65 -12.8,-50.075 v1(-12.8,-60.325) -12.8,-66.875 -10.305,-69.37 J201.5@-6.97,-69.37 ; -18.501,-57.75 -18,-57.75 -16,-59.75 v1(-16,-60.325)
  Bottom Layer LF-signals w0.175: R418.1@-19.625,-28.5 -18.875,-29.25 v1(-18.875,-42.575) ; v1(-16,-60.325) v1(-12.8,-60.325)
PA21_GPIO: J201.6@-4.43,-69.37 R419.1 U300.42 | length 62.9
  Top Layer LF-signals w0.175: U300.42@-24.425,-57.25 -17.825,-57.25 v1(-15.4,-59.675) ; v1(-18.35,-41.975) -12.25,-48.075 -12.25,-49.575 v1(-12.25,-59.675) -12.25,-66.775 -10.875,-68.15 -5.65,-68.15 J201.6@-4.43,-69.37
  Bottom Layer LF-signals w0.175: v1(-18.35,-41.975) R419.1@-18.35,-28.5 ; v1(-15.4,-59.675) v1(-12.25,-59.675)
PA22_PWM_TC4_0: J201.7@-6.97,-71.91 U300.43 | length 29.1
  Top Layer LF-signals w0.175: U300.43@-24.425,-56.75 -17.5,-56.75 -14.6,-59.65 -14.6,-68.875 -11.565,-71.91 J201.7@-6.97,-71.91
PA23_PWM_TC4_1: J201.8@-4.43,-71.91 U300.44 | length 31.8
  Top Layer LF-signals w0.175: U300.44@-24.425,-56.25 -17.35,-56.25 -14.025,-59.575 -14.025,-68.575 -11.825,-70.775 -5.565,-70.775 J201.8@-4.43,-71.91
PA25_S3_UART_RX: R414.1 U300.46 | length 36.7
  Top Layer LF-signals w0.175: v3(-27.575,-29.55) -28.55,-30.525 -28.55,-39.05 -18.8,-48.8 -18.8,-54.85 -19.35,-55.4 -23.1,-55.4 -23.25,-55.25 U300.46@-24.425,-55.25
  Bottom Layer LF-signals w0.175: v3(-27.575,-29.55) R414.1@-27.575,-28.475
PA27_GPIO_SS: J202.10@-28.73,-95.57 R416.1 U300.51 | length 78.7
  Top Layer LF-signals w0.175: v1(-32.175,-84.55) -32.175,-71.025 -34.825,-68.375 -34.825,-63.325 -27.25,-55.75 U300.51@-27.25,-52.425 -27.25,-51.325 -25.863,-49.937 v1(-25.863,-48.038) ; J202.10@-28.73,-95.57 -27.425,-94.265 v1(-27.425,-84.55)
  Bottom Layer LF-signals w0.175: v1(-32.175,-84.55) v1(-27.425,-84.55) ; v1(-25.863,-48.038) -22.175,-44.35 R416.1@-22.175,-28.5
PA28_GPIO_IRQ8: J202.9@-28.73,-93.03 R417.1 U300.53 | length 76.7
  Top Layer LF-signals w0.175: v1(-32.9,-83.85) -32.9,-70.975 -35.325,-68.55 -35.325,-63.325 -28.25,-56.25 U300.53@-28.25,-52.425 -28.25,-51.4 -27.725,-50.875 v1(-27.725,-50.85) ; J202.9@-28.73,-93.03 -27.975,-92.275 v1(-27.975,-83.85)
  Bottom Layer LF-signals w0.175: v1(-32.9,-83.85) v1(-27.975,-83.85) ; v1(-27.725,-50.85) -21.725,-44.85 -21.725,-29.325 R417.1@-20.9,-28.5
PA30_SWDCLK: U300.57 U500.3 | length 37.8
  Top Layer LF-signals w0.175: v3@-34.35,-32.125 -34.35,-49.85 -33.725,-50.475 -31.3,-50.475 -30.25,-51.525 U300.57@-30.25,-52.425
  Bottom Layer LF-signals w0.175: U500.3@-48.525,-31.675 -47.675,-31.675 -47.125,-32.225 v3(-34.35,-32.225)
PA31_SWDIO: U300.58 U502.3 | length 33.1
  Top Layer LF-signals w0.175: v3(-34.925,-36.425) -34.925,-49.825 -33.95,-50.8 -31.475,-50.8 -30.75,-51.525 U300.58@-30.75,-52.425
  Bottom Layer LF-signals w0.175: U502.3@-48.5,-36.425 -47.7,-36.425 ; -48.05,-36.425 -44.675,-36.425 v3(-34.925,-36.425)
PB00_ADC8: J200.3@-6.97,-31.27 U300.61 | length 38.3
  Top Layer LF-signals w0.175: v1(-32.25,-54.25) U300.61@-32.25,-52.425
  Bottom Layer LF-signals w0.175: v1(-32.25,-54.25) -27.15,-54.25 -9.325,-36.425 -9.325,-33.625 J200.3@-6.97,-31.27
PB01_ADC9: J200.4@-4.43,-31.27 U300.62 | length 41.9
  Top Layer LF-signals w0.175: v1(-32.75,-54.75) U300.62@-32.75,-52.425
  Bottom Layer LF-signals w0.175: v1(-32.75,-54.75) -27.05,-54.75 -8.825,-36.525 -8.825,-33.9 -7.45,-32.525 -5.685,-32.525 J200.4@-4.43,-31.27
PB02_PWM_TC6_0: J200.7@-6.97,-36.35 U300.63 | length 37.1
  Top Layer LF-signals w0.175: v1@-33.25,-55.4 U300.63@-33.25,-52.425
  Bottom Layer LF-signals w0.175: v1(-33.25,-55.25) -26.9,-55.25 -8,-36.35 J200.7@-6.97,-36.35
PB03_PWM_TC6_1: J200.8@-4.43,-36.35 U300.64 | length 40.7
  Top Layer LF-signals w0.175: v1(-33.75,-55.75) U300.64@-33.75,-52.425
  Bottom Layer LF-signals w0.175: v1(-33.75,-55.75) -26.675,-55.75 -8.5,-37.575 -5.655,-37.575 J200.8@-4.43,-36.35
PB04_GPIO_IRQ4: J200.9@-6.97,-38.89 U300.5 | length 35.8
  Top Layer LF-signals w0.175: U300.5@-35.575,-56.25 v1(-33.2,-56.25)
  Bottom Layer LF-signals w0.175: v1(-33.2,-56.25) -26.45,-56.25 -9.09,-38.89 J200.9@-6.97,-38.89
PB05_GPIO_SS: J200.10@-4.43,-38.89 U300.6 | length 38.5
  Top Layer LF-signals w0.175: U300.6@-35.575,-56.75 v4(-34.35,-56.75)
  Bottom Layer LF-signals w0.175: v4(-34.35,-56.75) -26.3,-56.75 -9.55,-40 -5.54,-40 J200.10@-4.43,-38.89
PB06_GPIO: J200.5@-6.97,-33.81 U300.9 | length 49
  Top Layer LF-signals w0.175: U300.9@-35.575,-58.25 -34.474,-58.25 v1(-33.502,-57.278)
  Bottom Layer LF-signals w0.175: v1(-33.502,-57.278) -26.178,-57.278 -9.225,-40.325 -3.6,-40.325 -3,-39.725 -3,-35.8 -3.675,-35.125 -5.655,-35.125 J200.5@-6.97,-33.81
PB07_GPIO: J200.6@-4.43,-33.81 U300.10 | length 51.6
  Top Layer LF-signals w0.175: v4(-36.8,-58.75) U300.10@-35.575,-58.75
  Bottom Layer LF-signals w0.175: v4(-36.8,-58.75) -35.85,-57.8 -25.975,-57.8 -10.875,-42.7 -2.95,-42.7 -2.525,-42.275 -2.525,-35.715 J200.6@-4.43,-33.81
PB08_S4_UART_TX: J200.14@-4.43,-43.97 U300.11 | length 37.5
  Top Layer LF-signals w0.175: U300.11@-35.575,-59.25 -34.375,-59.25 v1(-33.875,-58.75)
  Bottom Layer LF-signals w0.175: v1(-33.875,-58.75) -22.775,-58.75 -9.275,-45.25 -5.71,-45.25 J200.14@-4.43,-43.97
PB09_S4_UART_RX: J200.13@-6.97,-43.97 U300.12 | length 37.7
  Top Layer LF-signals w0.175: v4(-36.85,-59.75) U300.12@-35.575,-59.75
  Bottom Layer LF-signals w0.175: v4(-36.85,-59.75) -35.35,-58.25 -22.95,-58.25 -8.67,-43.97 J200.13@-6.97,-43.97
PB10_S4_UART_TX: J202.14@-33.81,-95.57 U300.23 | length 35.2
  Top Layer LF-signals w0.175: U300.23@-30.75,-63.575 -30.75,-64.65 -29.637,-65.762 v1(-29.637,-91.262)
  Bottom Layer LF-signals w0.175: J202.14@-33.81,-95.57 -32.55,-94.31 -32.55,-92.425 -31.387,-91.262 v1(-29.637,-91.262)
PB11_S4_UART_RX: J202.13@-33.81,-93.03 U300.24 | length 33.1
  Top Layer LF-signals w0.175: U300.24@-30.25,-63.575 -30.25,-64.625 -29.125,-65.75 v1(-29.125,-90.513)
  Bottom Layer LF-signals w0.175: J202.13@-33.81,-93.03 -31.293,-90.513 v1(-29.125,-90.513)
PB12_S4_UART_TX: J201.14@-4.43,-79.53 U300.25 | length 39.9
  Top Layer LF-signals w0.175: U300.25@-29.75,-63.575 -29.75,-64.625 -28.575,-65.8 v1(-28.575,-78.275)
  Bottom Layer LF-signals w0.175: v1(-28.575,-78.275) -5.685,-78.275 J201.14@-4.43,-79.53
PB13_S4_UART_RX: J201.13@-6.97,-79.53 U300.26 | length 37.5
  Top Layer LF-signals w0.175: U300.26@-29.25,-63.575 -29.25,-64.625 -27.95,-65.925 v1(-27.95,-79.53)
  Bottom Layer LF-signals w0.175: v1(-27.95,-79.53) -10.37,-79.53 J201.13@-6.97,-79.53
PB14_GPIO_IRQ14: J201.9@-6.97,-74.45 U300.27 | length 31.8
  Top Layer LF-signals w0.175: U300.27@-28.75,-63.575 -28.75,-64.625 -27.35,-66.025 v1(-27.35,-74.45)
  Bottom Layer LF-signals w0.175: v1(-27.35,-74.45) J201.9@-6.97,-74.45
PB15_GPIO_SS: J201.10@-4.43,-74.45 U300.28 | length 33
  Top Layer LF-signals w0.175: U300.28@-28.25,-63.575 -28.25,-64.6 -26.625,-66.225 v1(-26.625,-73.225)
  Bottom Layer LF-signals w0.175: v1(-26.625,-73.225) -5.655,-73.225 J201.10@-4.43,-74.45
PB16_S5_SPI_MISO: J202.17@-38.89,-93.03 R420.2 U300.39 | length 97.6
  Top Layer LF-signals w0.175: J202.17@-38.9,-93.02 J202.17@-38.89,-93.03 v1(-38.89,-70.8) ; v4(-30.8,-29.35) -30.8,-39.7 -24.025,-46.475 -24.025,-50 -25.575,-51.55 -25.575,-53.775 -25.85,-54.05 -25.85,-58.45 -25.55,-58.75 U300.39@-24.425,-58.75 -18.425,-58.75 -17.225,-59.95 v1(-17.225,-70.8)
  Bottom Layer LF-signals w0.175: v1(-38.89,-70.8) v1(-17.225,-70.8) ; v4(-30.8,-29.35) -30.775,-29.325 R420.2@-30.775,-28.475
PB17_S5_SPI_SS: J202.15@-36.35,-93.03 U300.40 | length 61.4
  Top Layer LF-signals w0.175: J202.15@-36.35,-93.03 v1(-36.35,-72.025) ; U300.40@-24.425,-58.25 -18.175,-58.25 -16.6,-59.825 v1(-16.6,-72.025)
  Bottom Layer LF-signals w0.175: v1(-36.35,-72.025) v1(-16.6,-72.025)
PB30_GPIO: J202.5@-23.65,-93.03 U300.59 | length 51.3
  Top Layer LF-signals w0.175: v1(-33.75,-89.225) -33.75,-70.925 -35.85,-68.825 -35.85,-63.35 -31.25,-58.75 U300.59@-31.25,-52.425
  Bottom Layer LF-signals w0.175: v1(-33.75,-89.225) -27.455,-89.225 J202.5@-23.65,-93.03
POWER_LED_CTRL: Q400.2 R410.1 U400.K4 | length 36.2
  Top Layer LF-signals w0.175: v5(-29.325,-22.15) -28.85,-21.675 -28.85,-18.468 -22.182,-11.8 -20.25,-11.8 v1(-18.025,-9.575)
  Bottom Layer LF-signals w0.175: v5(-29.325,-22.15) -28.925,-21.75 U400.K4@-27.95,-21.75 ; v1(-18.025,-9.575) -14.6,-9.575 -14.075,-10.1 -7.7,-10.1 v3(-6.35,-8.75) -5.35,-8.75 R410.1@-5.2,-8.6 -3.375,-8.6 -3.225,-8.45 Q400.2@-3.225,-7.875
R\E\S\E\T\_\E\X\T\: J500.10 R509.2 | length 2.9
  Top Layer LF-signals w0.175: v3(-58.665,-13.335) J500.10@-56.905,-13.335
  Bottom Layer LF-signals w0.175: v3(-58.665,-13.335) R509.2@-57.505,-13.335
RESET_MUX: pad.0@-48.325,-17.775 Q500.2 R525.1 U503.1 | length 5.1
  Bottom Layer LF-signals w0.175: Q500.2@-48.875,-15.175 R525.1@-48.875,-16.6 -48.875,-17.225 pad.0@-48.325,-17.775 -47.062,-17.775 -46.812,-17.525 U503.1@-46.125,-17.525
RESET_SENSE: C301.1 R300.1 R304.2 U300.52 U504.3 | length 82.3
  Top Layer LF-signals w0.175: v2(-47.975,-26.45) -47.975,-24.45 -45,-21.475 -43.675,-21.475 v3(-39.425,-17.225) ; v1(-36.725,-52.2) -36.725,-18.4 v1(-35.55,-17.225) -32.24,-17.225 -26.765,-11.75 -23.55,-11.75 -23.125,-11.325 C301.1@-23.125,-10.675 -23.125,-9.825 R304.2@-23.1,-9.8 -21.9,-9.8 R300.1@-21.8,-9.9
  Top Layer LF-signals w0.2: v1(-27.75,-53.65) U300.52@-27.75,-52.425
  Bottom Layer LF-signals w0.175: U504.3@-48.85,-26.45 v2(-47.975,-26.45) ; v3(-39.425,-17.225) v1(-35.55,-17.225) ; v1(-36.725,-52.2) -29.2,-52.2 v1(-27.75,-53.65)
RESET_SENSE_MUX: pad.0@-52.15,-24 U504.1 U506.2 | length 5.3
  Bottom Layer LF-signals w0.175: pad.0@-52.15,-24 -52.975,-24.825 -52.975,-25.4 -52.8,-25.575 U506.2@-52,-25.575 -51,-25.575 -50.125,-26.45 U504.1@-49.85,-26.45
SHIELD: C403.2 J400.6 J400.7 J400.8 J400.9 R424.2
  other v3: -13.725,-3.875
STATUS_LED_CTRL: Q400.5 R413.2 U400.F1 | length 33.7
  Top Layer LF-signals w0.175: v1(-17.025,-25.1) -15.525,-23.6 -15.525,-19.225 -8.45,-12.15 v3(-2.8,-12.15)
  Bottom Layer LF-signals w0.175: U400.F1@-25.35,-23.7 -23.95,-25.1 v1(-17.025,-25.1) ; Q400.5@-3.225,-9.725 -3.225,-10.675 R413.2@-2.8,-11.1 v3(-2.8,-12.15)
SWDCLK: U400.D6 U500.4 | length 37.1
  Top Layer LF-signals w0.175: v3(-24.85,-32.95) -23.925,-32.025 -23.925,-22.225 -24.375,-21.775 v5(-24.375,-20.775)
  Bottom Layer LF-signals w0.175: U500.4@-48.525,-32.425 -47.8,-32.425 -47.275,-32.95 v3(-24.85,-32.95) ; v5(-24.375,-20.775) U400.D6@-24.05,-20.45
SWDCLK_EXT: J500.4 R508.2 | length 3.8
  Top Layer LF-signals w0.175: J500.4@-56.905,-17.145 -55.32,-17.145 v3(-54.875,-16.7)
  Bottom Layer LF-signals w0.175: R508.2@-56.305,-17.145 -55.86,-16.7 v3(-54.875,-16.7)
SWDCLK_MUX: pad.0@-50.6,-31.175 U500.1 U501.2 | length 2.8
  Bottom Layer LF-signals w0.175: U501.2@-52,-30.775 -51,-30.775 -50.125,-31.65 -49.8,-31.65 U500.1@-49.525,-31.65
SWDIO: U400.C5 U502.4 | length 41.4
  Top Layer LF-signals w0.175: v3(-23.55,-37.175) -23.55,-21.9 v5(-23.075,-21.425)
  Bottom Layer LF-signals w0.175: U502.4@-48.5,-37.175 -46.6,-37.175 v3(-23.55,-37.175) ; U400.C5@-23.4,-21.1 v5(-23.075,-21.425)
SWDIO_EXT: J500.2 R505.2 | length 3.9
  Top Layer LF-signals w0.175: J500.2@-56.905,-18.415 -55.36,-18.415 v3(-54.875,-18.9)
  Bottom Layer LF-signals w0.175: R505.2@-56.305,-18.415 -55.82,-18.9 v3(-54.875,-18.9)
SWDIO_MUX: pad.0@-50.6,-35.925 U502.1 U505.2 | length 2.9
  Bottom Layer LF-signals w0.175: U505.2@-52,-35.525 -51,-35.525 pad.0@-50.6,-35.925 -50.125,-36.4 -49.775,-36.4 U502.1@-49.5,-36.4
TARGET_RESET: R520.1 U400.B4 U503.4 | length 41.6
  Top Layer LF-signals w0.175: v4(-34.25,-15.175) -31.75,-15.175 v4(-29.675,-13.1) ; v3(-20.5,-13.1) -20.5,-20.1 v1(-18.525,-22.075)
  Bottom Layer LF-signals w0.125: U400.B4@-22.75,-21.75 -22.425,-22.075 -21.8,-22.075
  Bottom Layer LF-signals w0.175: U503.4@-45.125,-18.275 -44.825,-18.275 -44.575,-18.025 -44.575,-17.85 R520.1@-43.875,-17.15 -43.875,-16.225 -42.825,-15.175 v4(-34.25,-15.175) ; v4(-29.675,-13.1) v3(-20.5,-13.1) ; -21.8,-22.075 v1(-18.525,-22.075)